# KiCad board POWER_BOARD.kicad_pcb (continued)
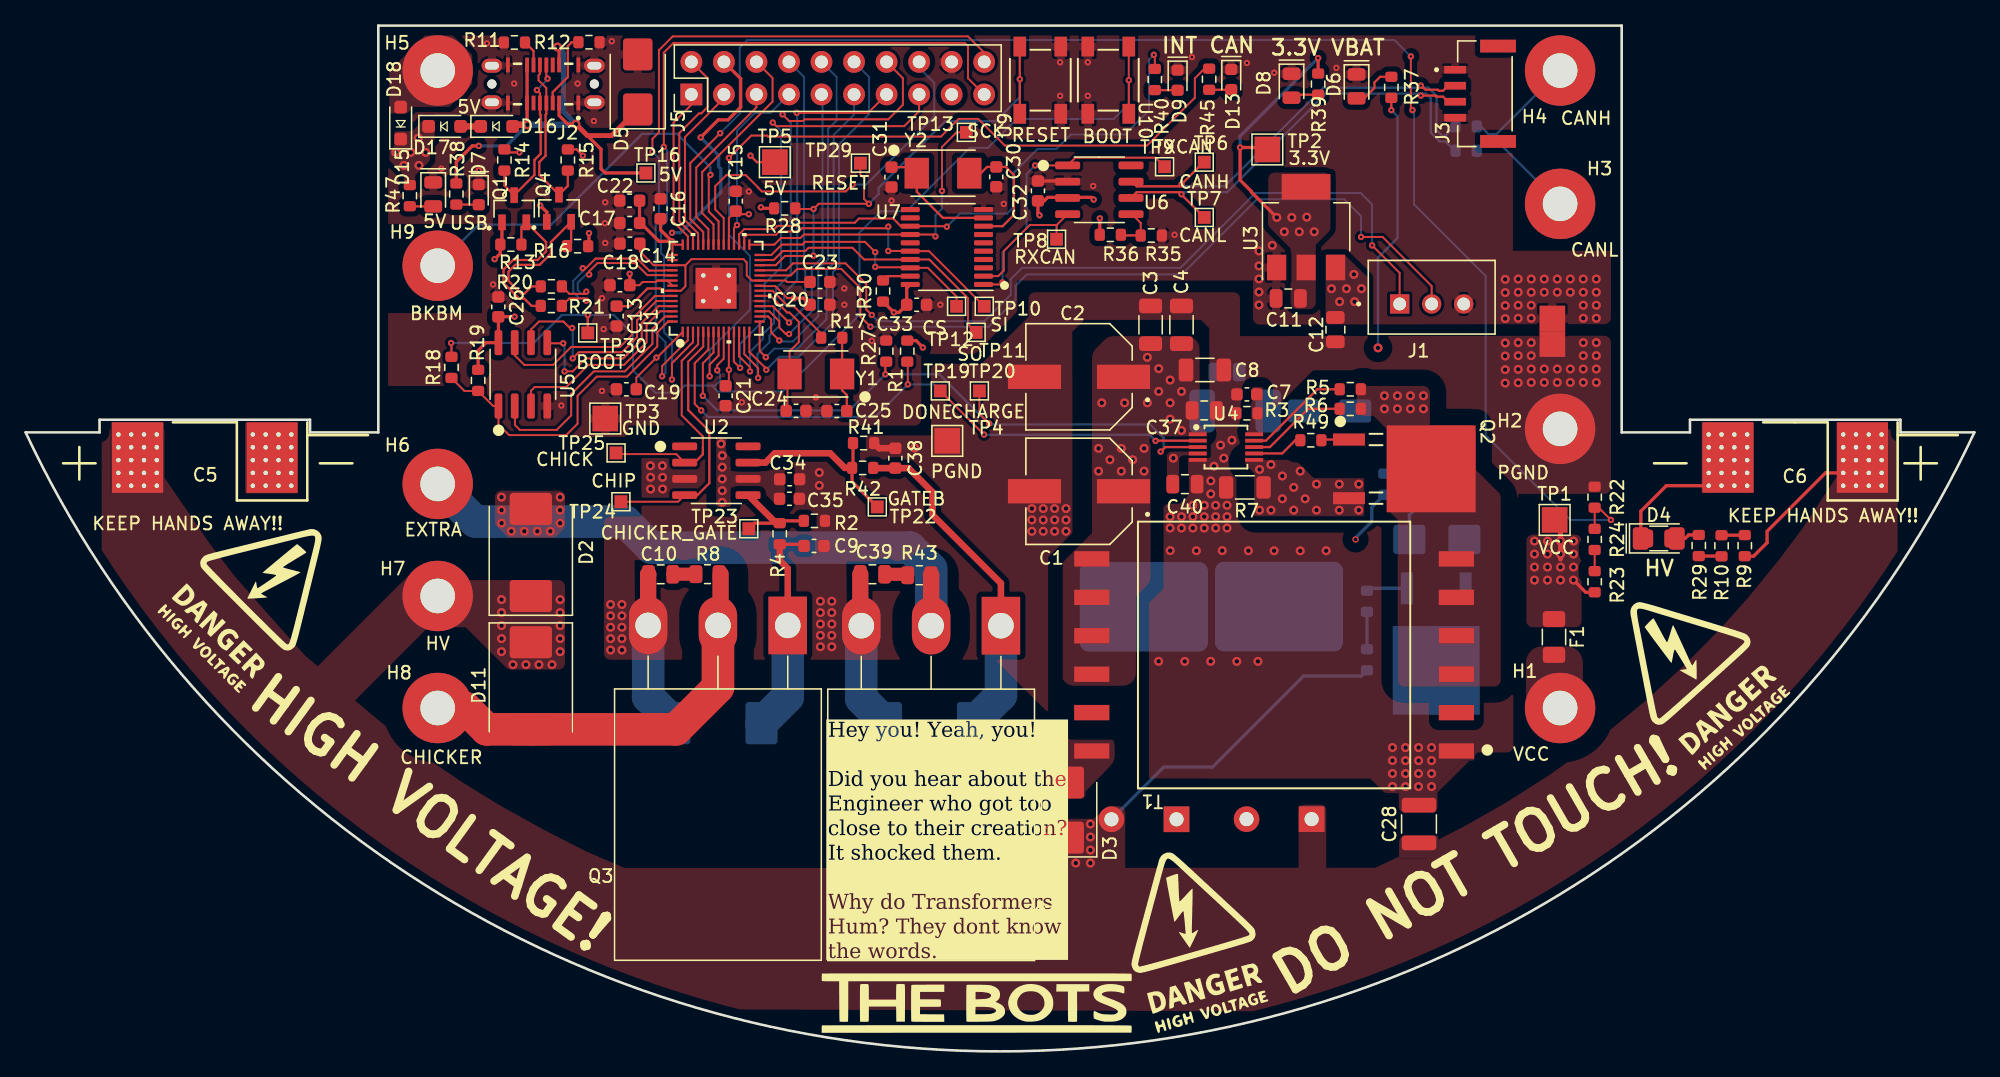
[diagram p0: board, top side]
## Routing (per net, layer and track width the routed paths; a pad name or vN(x,y) marks a point on that pad's centre or on a via; arc(x,y) is an arc through that point) (continued)
/RP2040_CAN_FLASH/TX: length 59.1
  Top w0.152: v2(50.46,52.47) 50.46,53.74 52.11,55.39 U1.3 ; J5.19 73.57,76 73.57,78.51 73.32,78.76 50.59,78.76 49.83,78 v2(49.83,70.63)
  Bottom w0.152: v2(50.46,52.47) 50.46,55.54 49.85,56.15 49.85,62.1 49.6,62.35 49.6,64.43 50.08,64.92 50.08,70.38 v2(49.83,70.63)
/RP2040_CAN_FLASH/TXCAN: length 22.4
  Top w0.152: U7.1 76.1,59.89 v2(76.27,60.06) ; TP9.1 88.22,69.8 81.96,69.8 U6.1 v2(78.81,69.19)
  Bottom w0.152: v2(76.27,60.06) 76.27,62.4 78.15,64.28 78.15,68.52 v2(78.81,69.19)
/RP2040_CAN_FLASH/Vref1.65V: length 3.6
  Top w0.152: R35.1 87.06,64.7 86.34,65.42
  Top w0.178: R35.1 87.05,63.73 85.51,63.73
/RP2040_CAN_FLASH/XIN: length 11.3
  Top w0.152: U1.20 58.16,59 59.46,57.7 59.64,57.7 60.37,56.97 60.37,55.39 59.65,54.67 Y1.2 59.48,52.73 59.48,50.12 C24.2
/RP2040_CAN_FLASH/XOUT: length 6.5
  Top w0.152: U1.21 58.32,59.4 59.53,58.19 59.99,58.19 62.11,56.06 R17.2
BATT_LEVEL: length 118.4
  Top w0.152: U1.38 52.91,63.99 51.89,65.01 51.89,69.37 v2(54.23,71.71) ; v2(123.77,41.51) 122.82,42.46 R22.1 R24.2 ; v2(108.28,73.51) 108.15,73.64 v2(108.15,77.7)
  Bottom w0.152: v2(108.15,77.7) 106.87,78.98 56.35,78.98 55.75,78.39 55.75,73.23 v2(54.23,71.71) ; v2(108.28,73.51) 108.4,73.38 108.4,66.14 113.99,60.56 113.99,48.11 120.6,41.51 v2(123.77,41.51)
BKBM: length 33
  Top w0.152: U1.35 54.11,64.82 53.34,65.58 53.34,68.33 v2(53.46,68.46)
  Bottom w0.178: v2(53.46,68.46) 53.46,69.04 50.85,71.66 48.13,71.66 41.04,64.57 35.38,64.57 H9.1
CAN+: length 37.9
  Top w0.178: 86.34,67.96 86.74,67.56 90.08,67.56 v2(90.24,67.72) 91.97,69.45 TP6.1 ; J3.2 111.06,75.41 110.66,75.02 110.34,75.02 110.26,75.1 109.31,75.1 109.17,75.24 109.11,75.24 v2(108.93,75.42)
  Bottom w0.178: R26.2 111.57,72.24 110.84,71.52 110.59,71.52 110.16,71.95 110.16,74.62 109.52,75.26 109.09,75.26 v2(108.93,75.42) 108.77,75.26 101.33,75.26 93.62,67.56 90.4,67.56 v2(90.24,67.72)
CAN-: length 37.8
  Top w0.178: J3.3 111.06,74.16 110.66,74.56 110.15,74.56 110.07,74.64 v2(108.93,74.64) ; TP7.1 90.24,66.91 v2(90.24,66.94) 90.08,67.1 86.74,67.1 86.34,66.69
  Bottom w0.178: R25.2 111.57,70.33 110.84,71.06 110.41,71.06 109.7,71.76 109.7,74.43 109.33,74.81 109.09,74.81 v2(108.93,74.64) 108.77,74.81 101.51,74.81 93.81,67.1 90.4,67.1 v2(90.24,66.94)
CHARGE: length 53.1
  Top w0.152: v2(52.87,51.2) 52.87,53.74 53.71,54.57 U1.7 ; TP20.1 74.46,49.8 v2(75.23,49.04)
  Top w0.178: v2(88.62,46.84) 88.97,47.19 U4.3 ; v2(67.12,52.88) 67.12,53.8 R27.1
  Bottom w0.178: v2(88.62,46.84) 88.85,47.07 88.85,47.91 87.79,48.96 75.25,48.96 71.34,52.88 v2(67.12,52.88) 64.3,50.06 54.02,50.06 v2(52.87,51.2)
CHICKER: length 18.1
  Top w0.152: TP25.1 46.19,46.65 50.79,46.65 U2.2 ; U1.4 52.51,55.21 51.22,53.93 51.22,49.68 52.87,48.03 52.87,47.14
  Top w0.178: U2.2 52.23,45.98 52.87,46.63 52.87,47.14
CHICKER_HV: length 32.9
  Top w1.27: Q3.2 54.26,33.47 54.26,37.27
  Top w2.54: Q3.2 54.05,28.43 50.78,25.15 D11.2 35.99,25.15 34.32,26.82 H8.1
CHIP_EXTRA: length 20.5
  Top w0.152: TP24.1 50.94,42.93 U2.4 ; U1.5 52.91,55.04 51.73,53.87 51.73,52.41
  Top w0.178: U2.4 52.45,43.44 53.38,44.38 53.38,48.44 51.73,50.09 51.73,52.41
DONE: length 55.3
  Top w0.152: U1.6 53.31,54.81 52.24,53.74 52.24,50.57 v2(52.75,50.06) ; v2(68.88,52.09) 68.88,53.82 R1.1 ; TP19.1 74.83,48.17 v2(74.83,48.17)
  Top w0.178: U4.2 88.24,47.69 v2(88.22,47.68)
  Bottom w0.152: 74.79,48.2 70.91,52.09 v2(68.88,52.09) 66.84,50.06
  Bottom w0.178: 74.79,48.2 74.84,48.15 87.75,48.15 v2(88.22,47.68) ; v2(52.75,50.06) 53.25,49.55 66.34,49.55 66.84,50.06
EXTRA_HV: length 49.7
  Top w1.27: R43.1 70.7,37.18 Q7.2
  Bottom w2.54: Q7.2 70.7,37.68 69.03,39.35 48.84,39.35 46.81,41.38 35.11,41.38 H6.1
  vias: v1(37.16,43.28) v1(37.16,42.27) v1(37.16,41.25) v1(37.92,40.62) v1(38.94,40.62) v1(39.95,40.62) v1(40.97,40.62) v1(41.73,43.28) v1(41.73,42.27) v1(41.73,41.25)
HV: length 35.7
  Top w0.254: R9.2 134.91,38.67 135.96,39.73 135.96,40.62 140.52,45.18 C6.1
  Bottom w0.254: R44.2 88.85,22.2 92.66,22.2 99.77,29.31 104.28,29.31 R34.1
  vias: v1(37.16,35.28) v1(37.16,34.27) v1(37.16,33.25) v1(37.16,32.23) v1(37.16,31.22) v1(38.05,30.2) v1(39.06,30.2) v1(40.08,30.2) v1(41.09,30.2) v1(41.73,35.28) v1(41.73,34.27) v1(41.73,33.25) v1(41.73,32.23) v1(41.73,31.22) v1(79.7,17.76) v1(79.7,16.74) v1(79.7,15.72) v1(79.7,14.71) v1(80.85,14.71) v1(81.99,14.71) v1(83.13,17.76) v1(83.13,16.74) v1(83.13,15.72) v1(83.13,14.71)
Net-(C25-Pad2): length 5.9
  Top w0.178: C25.2 64.11,51.26 63.75,51.63 Y1.1 63.75,55.71 R17.1
Net-(D4-A): length 1.8
  Top w0.254: R29.1 129.84,40.33 129.56,40.06 D4.2
Net-(D9-A): length 1.8
  Top w0.178: R40.2 89.93,75.07 D9.2
Net-(D13-A): length 1.7
  Top w0.178: R45.2 94.12,75.1 D13.2
Net-(Q2-G): length 2.2
  Top w0.178: R49.2 101.22,47.78 Q2.1
Net-(R10-Pad1): length 1.8
  Top w0.254: R29.2 132.39,38.68 R10.1
Net-(R10-Pad2): length 1.8
  Top w0.254: R10.2 134.21,40.31 R9.1
Net-(R23-Pad2): length 1.7
  Top w0.152: R23.2 R24.1
Net-(U4-GATE): length 4
  Top w0.178: U4.7 98.1,46.69 99.13,47.73 R49.1
Net-(U7-~{RESET}): length 2.3
  Top w0.178: R30.2 67.28,60.54 U7.19

## Copper pours and planes (outline as drawn; the poured copper is in the pictures)
5V_IN on Top: 33.35,79.35 34.87,77.83 34.87,75.54 33.09,73.76 30.3,73.76 29.79,73.26 28.39,73.26 28.39,76.56 31.19,79.35
+3.3V on Top: 101.88,68.63 101.88,64.14 100.73,62.99 100.73,57.96 98.75,57.96 98.75,62.71 96.99,64.48 97.03,68.63
+3.3V on In1.Cu: 26.74,88.52 26.74,51.96 33.47,51.96 37.54,47.98 47.06,47.98 47.06,48.87 69.92,48.87 69.92,54.46 74.11,54.46 77.42,57.76 77.42,60.2 95.82,60.2 95.82,56.76 123.26,56.8 123.24,88.52
+5V on Top: 101.5,62.23 101.5,56.77 104.8,56.77 104.8,60.45 102.95,62.23
+5V on Top: 28.78,70.72 28.39,70.33 28.39,69.57 29.54,68.43 29.54,67.29 30.43,67.29 30.43,68.43 31.57,69.57 31.57,70.84 31.95,71.22 31.95,72.75 31.06,72.75 30.17,71.86 28.78,71.86
+5V on In1.Cu: 28.29,66.91 54.68,66.91 57.35,69.57 98.62,69.57 101.47,66.73 101.45,59.15 103.81,56.8 110.06,56.8 110.06,74.68 105.38,79.35 28.29,79.35
/Power/VCC_FUSE on Top: 117.14,31.63 121.58,31.63 121.58,28.85 122.47,27.96 122.47,25.8 120.82,24.15 118.66,24.15 117.14,25.67
GND on Top, Bottom, In2.Cu: 26.74,88.52 26.74,51.96 33.47,51.96 37.54,47.98 47.06,47.98 47.06,48.87 69.92,48.87 69.92,54.46 74.11,54.46 77.42,57.76 77.42,60.2 95.82,60.2 95.82,56.76 123.77,56.8 123.75,88.52
GNDPWR on Top: 21.25,50.44 21.25,43.55 17.14,43.55 17.14,50.44
GNDPWR on Top: 113.15,25.1 113.15,22.71 112.19,22.71 110.23,20.75 110.23,18.62 107.21,18.62 107.21,23.37 108.94,25.1
GNDPWR on Top: 94.79,41.51 94.79,50.73 94.89,50.83 94.89,53.19 92.4,53.19 92.4,48.87 92.53,48.74 92.53,46.46 92.4,46.33 90.75,46.33 90.75,43.79 91.26,43.28 91.26,41.51
GNDPWR on Top, Bottom: 134.89,50.03 134.89,43.66 130.85,43.66 130.85,50.03
GNDPWR on Top, Bottom, In2.Cu: 123.77,43.54 123.77,55.89 94.82,55.86 94.82,59.29 78.31,59.29 78.31,57.38 74.62,53.7 70.69,53.7 70.69,48.11 48.08,48.11 48.08,41.76 45.16,41.76 45.16,30.58 75.69,30.58 80.08,26.19 80.08,21.31 104.97,21.31 106.12,20.17 110.18,20.17 113.36,23.34 116.15,23.34 116.15,28.81 116.54,29.19 116.53,43.54
GNDPWR on In1.Cu, In2.Cu: 22.04,49.77 22.01,30.74 22.45,30.36 24.38,28.6 26.72,26.52 28.93,24.74 30.91,23.21 32.76,21.89 34.19,20.93 39.8,26.48 44.87,26.49 46.74,28.34 46.72,35.46 50.36,35.46 50.36,27.83 49.12,26.49 60.46,26.43 63.67,29.64 63.67,35.36 66.81,35.39 66.78,27.79 63.26,23.77 41.44,23.77 36.94,19.26 40.69,17.18 42.88,16.06 43.69,15.64 44.56,15.27 45.43,14.89 46.75,14.33 105.23,14.33 106.13,14.64 106.13,24.23 110.26,24.23 110.28,16.58 112.31,17.6 115.19,19.23 118.83,21.51 122.63,24.21 126.72,27.6 129.32,30.04 130.26,30.94 130.21,49.52 134.6,49.53 138,45.44 138.08,3.24 14.58,3.24 14.32,46.11 17.31,49.73
VCC on Top: 90.06,46.33 90.3,46.55 92.2,46.55 92.2,46.85 89.33,46.84 89.1,46.61 89.1,43.63 90.06,43.63
VCC on Top: 53.92,47.98 55.06,47.98 55.06,45.32 57.73,45.32 57.86,45.44 59.38,45.44 59.38,42.65 58.62,42.65 57.22,44.05 55.06,44.05 55.06,42.52 53.92,42.52
VCC on Top: 117.17,40.36 117.17,33.12 121.49,33.12 121.49,40.36
VCC on Top: 92.22,48.04 87.83,48.03 87.83,36.68 86.69,35.54 86.69,28.55 80.85,28.55 80.85,38.08 83.26,40.49 83.26,54.59 84.53,55.86 91.65,55.86 91.67,48.97 92.22,48.37
VCC on Bottom: 93.42,53.82 93.42,52.3 93.04,51.92 93.04,48.11 89.61,48.11 88.85,48.87 88.85,53.82
VCC on In1.Cu: 115.23,55.87 94.82,55.87 94.82,59.29 78.31,59.29 78.31,57.38 74.62,53.7 70.69,53.7 70.69,48.11 48.08,48.11 48.08,41.39 72.32,41.39 80.08,33.62 80.05,20.69 104.49,20.69 104.49,26.39 113.81,26.39 120.54,33.12 121.49,33.12 121.48,43.49 115.23,43.5
/Flyback_HV/AD_35W on Bottom: 113.36,26.52 102.94,26.52 96.47,20.04 96.47,16.99 88.85,16.99 88.85,19.15 94.18,19.15 102.44,27.41 106.88,27.41 106.88,33.25 113.36,33.25
/Flyback_HV/AD_G on Bottom: 106.75,41.25 106.75,37.7 107.39,37.06 107.39,34.9 108.53,34.9 108.91,35.28 108.91,38.58 109.29,38.97 109.29,41.25
/Flyback_HV/HV_DIO on Top: 85.04,24.87 85.04,22.65 82.75,20.3 82.75,19.79 79.58,19.79 79.58,24.87
/Flyback_HV/Q2D on Top: 104.69,51.96 104.69,52.09 103.93,52.09 103.93,49.64 105.23,49.64 106.25,48.62 106.25,42.14 106.5,42.14 107.13,41.51 107.13,28.5 115.17,28.5 115.17,43.47 113.2,45.44 113.2,48.91 109.64,48.91 109.64,51.96
/Flyback_HV/Q2D on Bottom: 102.53,50.95 102.53,49.04 105.07,49.04 105.71,49.68 109.64,49.68 109.64,51.71 105.71,51.71 104.94,50.95
/Flyback_HV/RBG on Top: 95.53,51.89 95.53,48.62 95.3,48.41 95.3,48.03 96.62,48.03 96.62,51.89
/Flyback_HV/RCD on Bottom: 101.04,51.03 101.04,48.87 98.63,48.87 97.99,48.24 95.83,48.24 95.83,51.79 95.32,52.3 94.18,52.3 94.18,53.82 96.85,53.82 99.64,51.03
/Flyback_HV/VSOURCE on Top, In1.Cu, In2.Cu: 95.21,46.33 96.59,46.33 96.72,46.2 99.13,46.2 100.57,44.77 104.51,44.77 104.51,41.79 95.9,41.79 95.9,45.18 95.21,45.87
EXTRA_HV on Top, In1.Cu: 36.65,43.79 42.11,43.79 42.11,40.87 41.35,40.11 37.67,40.11 36.65,41.12
HV on Top: 145.38,50.13 145.38,43.63 141.42,43.63 141.42,50.13
HV on Top: 107.24,16.87 107.24,15.08 109.35,15.08 110.29,16.03 110.29,16.87
HV on Top, Bottom: 10.83,44.82 14.38,39.66 16.31,37.13 19.2,33.84 21.84,30.89 22.81,30.08 30.68,37.95 33.35,37.95 34.49,36.81 42.11,36.81 42.11,29.82 37.67,29.82 34.36,33.12 31.44,33.12 25.72,27.4 27.02,26.31 29.23,24.51 31.21,23.02 32.33,22.2 34.24,20.93 36.9,19.28 40.45,17.32 43.71,15.65 45.97,14.67 46.78,14.33 79.22,14.33 79.22,18.16 83.4,18.16 84.44,19.15 85.85,19.15 85.85,14.33 99.39,14.34 99.39,19.28 101.55,19.28 101.55,14.33 105.36,14.34 107.39,15.28 110.19,16.49 112.48,17.67 115.49,19.38 118.96,21.58 122.73,24.3 126.13,27.1 126.6,27.48 129.63,30.29 132.38,33.08 134.5,35.46 136.89,38.39 138.69,40.79 141.44,44.95 141.44,53.39 146.15,53.46 146.15,2.95 5.94,3.45 5.94,50.71 10.86,50.52
HV on Top, Bottom: 10.79,50.03 10.79,43.53 6.65,43.53 6.65,50.03

## Text on the board
B.Silkscreen: EXTRA | CHICKER | Chicker Board V1.0 / Designed By: Henry Bryant / Printed on: January 24, 2024 | Hey you! Yeah, you! / Did you hear about the Engineer who got too close to their creation? It shocked them. / Oh, you're still here? Okay, here's another. Why do Transformers Hum? / They dont know the words. A customer walks into a retail store and asks: / Do you have any two-watt, 4-volt bulbs? / S: For what? C: No, two. S: Two what? C: Yes. S: No. / Wait, I thought you would have left by now? I'm shocked you're still here! / I was gonna tell a joke about electricity, but I forgot Watt it was. | Beam me up, Scotty!
F.Silkscreen: KEEP HANDS AWAY!! | BOOT | 5V | USB | RESET | INT | CAN | 3.3V | VBAT | HV | DO NOT TOUCH! | HIGH VOLTAGE! | Hey you! Yeah, you! / Did you hear about the / Engineer who got too / close to their creation? / It shocked them. / Why do Transformers / Hum? They dont know / the words.
